# Altium PCB TinyHawk_PCB.PcbDoc (part 3 of 6)
Units mil, origin at the board's own origin, x right, y up, seen from the top; angles counter-clockwise.
Board outline 3399.79 x 3628.14 mil, 6 copper layers (Top Layer, Ground, Signal Layer 2, Signal Layer 1, Power, Bottom Layer), stack 58.153 mil thick; 370 components, 355 nets, 1615 pads, 674 vias.
Unrouted connection lines stored in the file: 1.
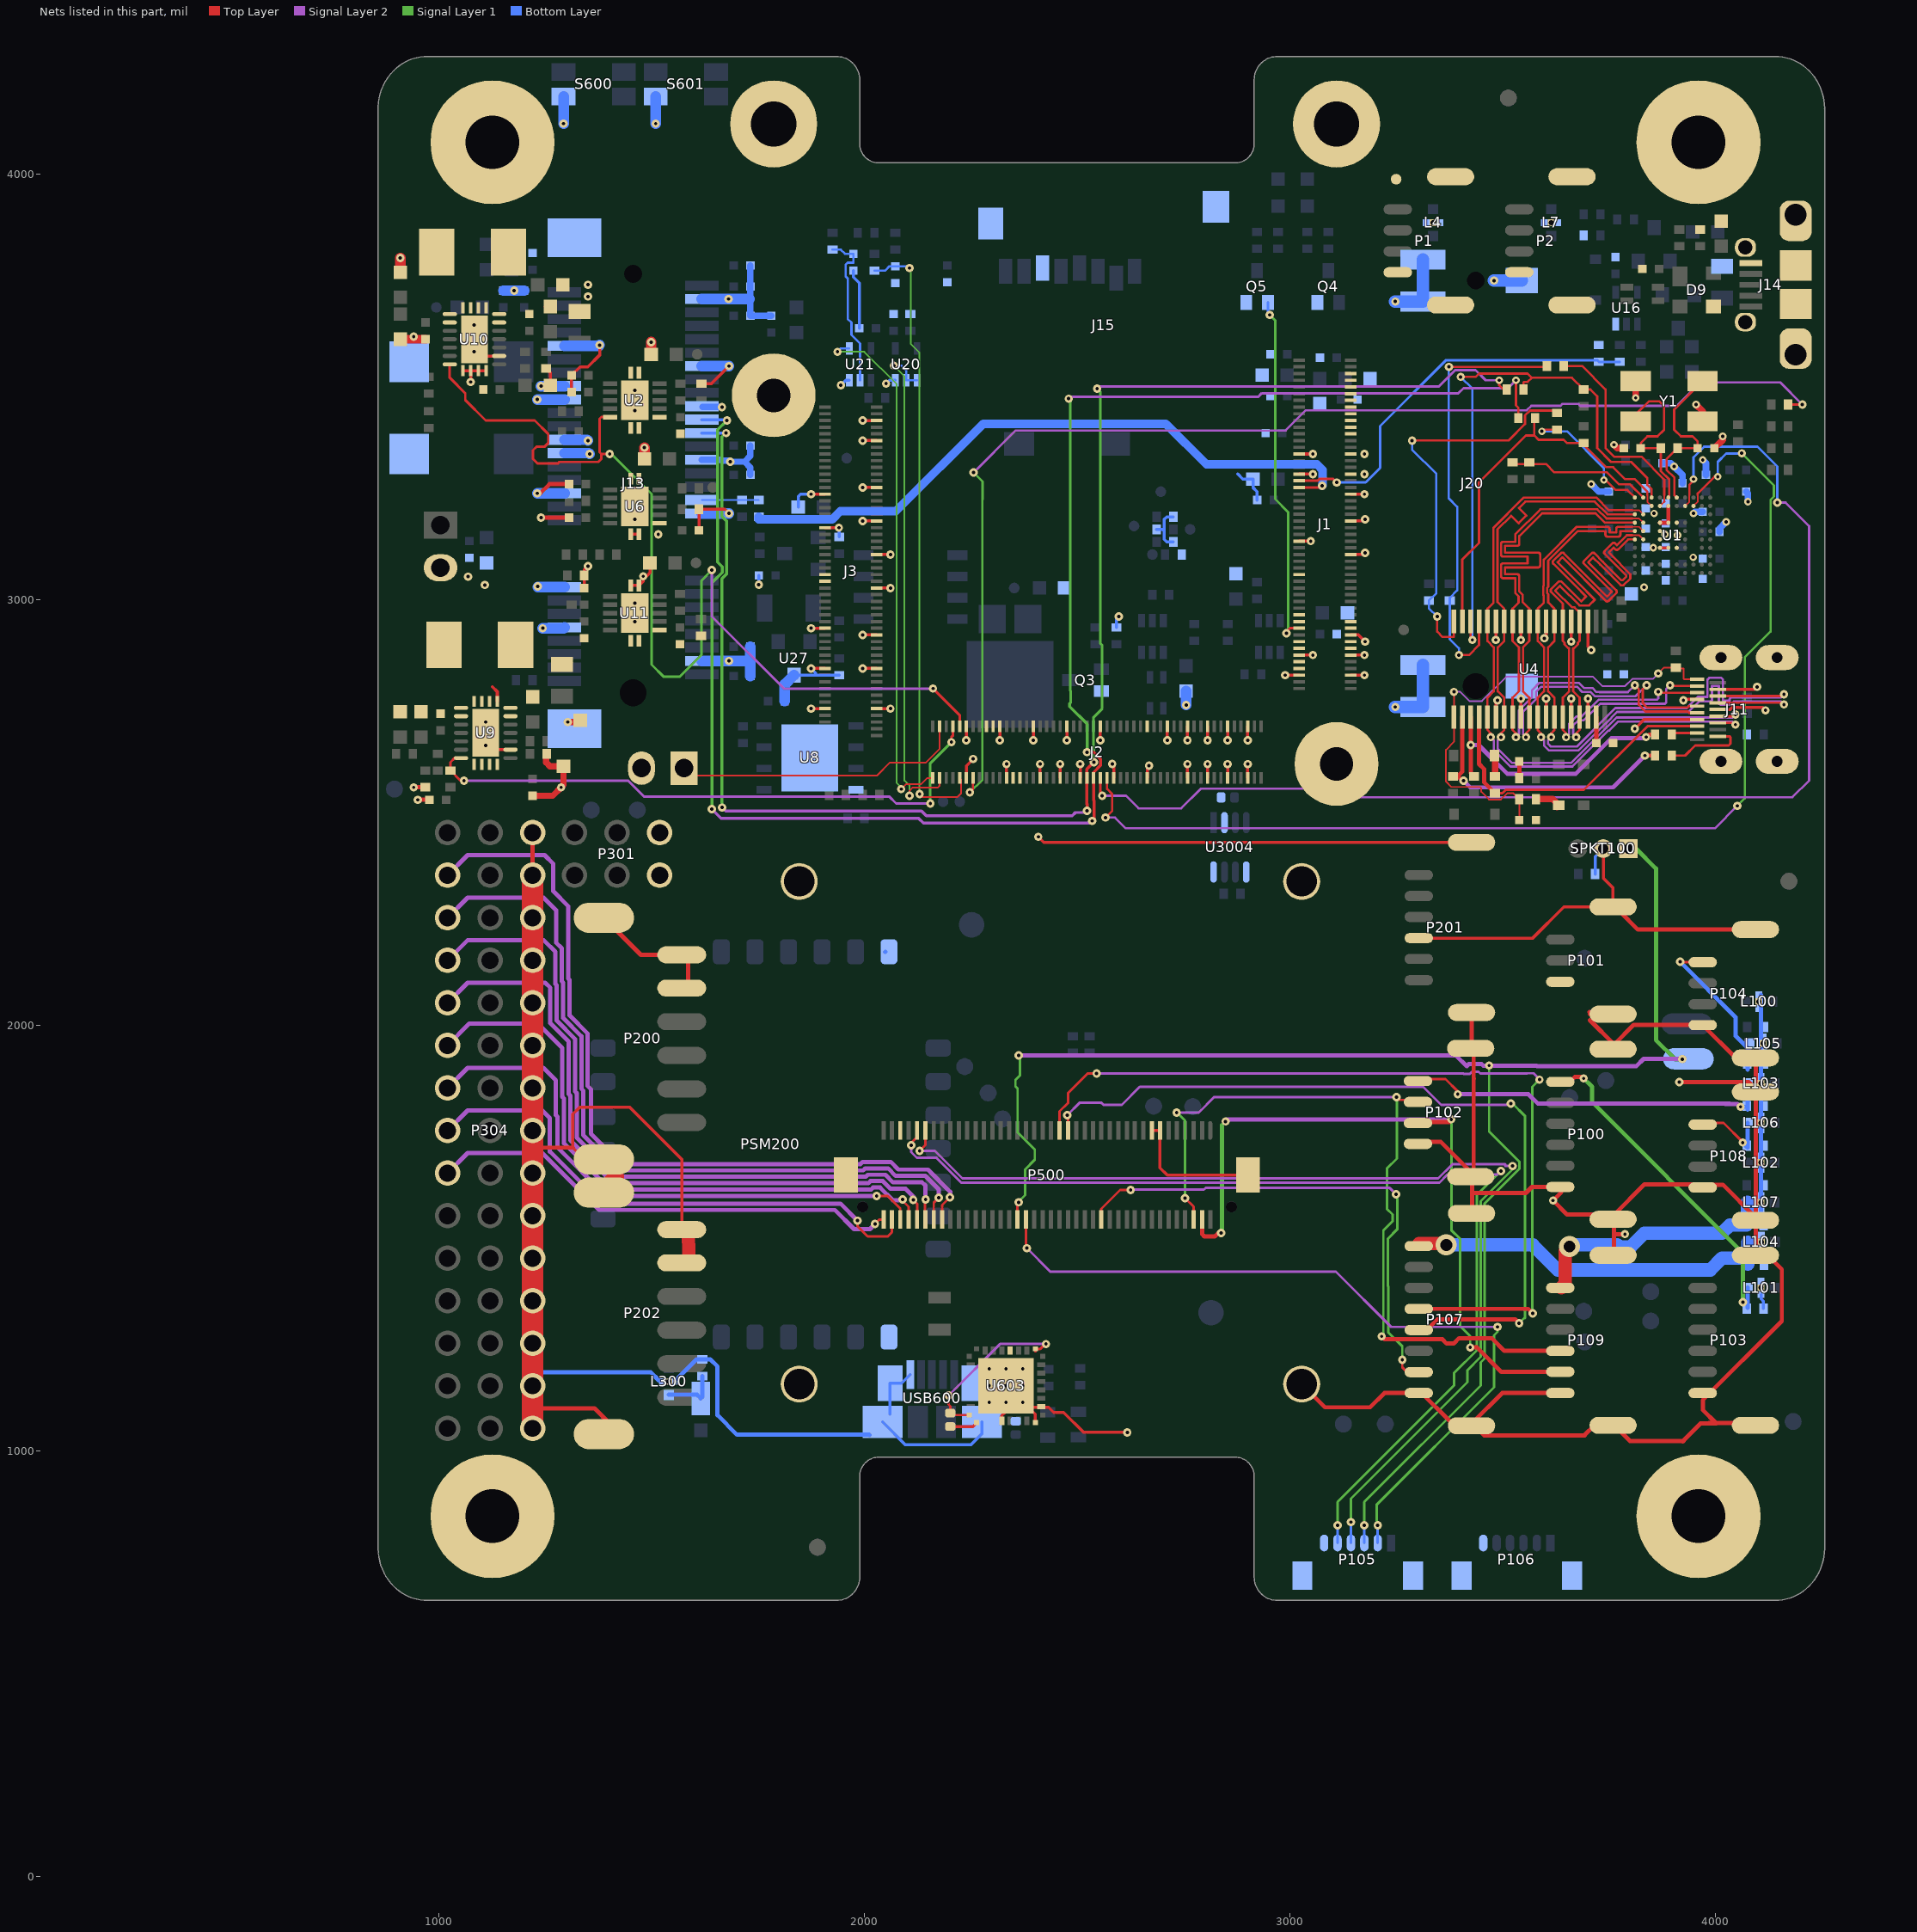
[diagram p7: the nets of this part, all layers, seen from the top]

## Via types
v1: diameter 19.68, hole 7.87, Top Layer to Bottom Layer, tented both sides, 619 vias
v2: diameter 17.72, hole 7.87, Top Layer to Bottom Layer, tented both sides, 36 vias
v3: diameter 50, hole 28, Top Layer to Bottom Layer, tented both sides, 13 vias
v4: diameter 19.68, hole 7.87, Top Layer to Bottom Layer, 3 vias
v5: diameter 25, hole 13, Top Layer to Bottom Layer, tented both sides, 3 vias

## Nets (pads, with @x,y where several pads share a name; then routed paths per layer and width w, separated by ;. In a path a pad name is that pad's centre, name@x,y a point inside that pad or via, vN(x,y) a via of type N, cw(c..) or ccw(c..) an arc to the next point about the centre after c; other vN are vias at no path point) (continued)
GND: C1.2 C2.2 C3.2 C4.2 C5.2 C6.2 C7.2 C8.2 C10.2 C11.2 C12.2 C13.2 C14.2 C15.2 C16.2 C17.2 C18.2 C19.2 C20.2 C21.2 C26.2 C29.2 C30.2 C33.2 C37.2 C38.2 C39.2 C40.2 C41.1 C42.1 C43.1 C44.1 C45.2 C46.2 C47.2 C48.2 C49.2 C50.2 C51.2 C52.1 C53.1 C54.1 C55.1 C56.2 C57.2 C58.2 C59.2 C60.2 C61.2 C62.2 C63.2 C64.2 C65.2 C66.2 C67.2 C68.2 C69.2 C70.2 C71.2 C72.2 C73.2 C74.2 C79.2 C89.2 C90.2 C91.2 C92.2 C106.2 C158.2 C171.2 C176.2 C177.1 C183.2 C184.2 C185.2 C187.1 C188.1 C190.1 C198.2 C200.2 C203.2 C230.1 C231.2 C232.2 C257.2 C258.2 C259.2 C260.2 C261.2 C262.2 C263.2 C264.2 C265.2 C266.2 C267.2 C268.2 C381.2 C604.P$2 C605.P$2 C3004.P$2 D4.2 D8.2 D9.3 D19.2 D100.A D101.A D102.A D103.A D104.A D105.A D106.A D107.A D108.A D301.A J1.5 J1.7 J1.9 J1.11 J1.13 J1.15 J1.17 J1.19 J1.21 J1.23 J1.29 J1.30 J1.35 J1.36 J1.41 J1.49 J1.56 J1.59 J1.66 J1.83 J1.89 J1.90 J1.95 J1.96 J2.11 J2.12 J2.21 J2.24 J2.31 J2.34 J2.40 J2.41 J2.46 J2.51 J2.56 J2.65 J2.66 J2.71 J2.77 J2.78 J2.83 J2.84 J2.89 J2.90 J2.95 J2.96 J3.5 J3.11 J3.25 J3.28 J3.35 J3.38 J3.45 J3.55 J3.68 J3.69 J3.79 J3.80 J3.91 J3.92 J8.2 J11.4 J11.7 J11.10 J11.13 J11.MTG1 J11.MTG2 J11.MTG3 J11.MTG4 J13.4 J13.9 J13.15 J13.18 J13.21 J13.26 J13.27 J13.29 J13.34 J13.35 J13.37 J13.40 J13.43 J13.50 J13.53 J13.54 J14.5 J14.6 J14.7 J14.8 J14.9 J14.10 J14.11 J15.6 J15.11 J15.12 J20.1 J20.2 J20.3 J20.4 J20.5 J20.6 JP1.2 L4.GND L7.GND L100.GND L101.GND L102.GND L103.GND L104.GND L105.GND L106.GND L107.GND L300.GND M3_MOUNT901.1 M3_MOUNT902.1 M3_MOUNT903.1 M3_MOUNT904.1 MH1.1 MH2.1 MH3.1 MH4.1 MH5.1 MH6.1 MH11.1 MH12.1 P1.4 P1.GND P2.4 P2.GND P100.6 P100.GND P101.3 P101.GND P102.4 P102.GND P103.6 P103.GND P104.4 P104.GND P105.6 P105.GND P106.6 P106.GND P107.8 P107.GND P108.4 P108.GND P109.6 P109.GND P200.5 P200.6 P200.GND P201.4 P201.GND P202.5 P202.6 P202.GND P301.5 P301.6 P304.GND P500.13 P500.15 P500.GND PSM200.GND Q3.2 Q4.2 Q5.2 R1.1 R2.1 R3.1 R4.1 R20.1 R25.1 R29.1 R38.1 R45.1 R64.1 R67.1 R83.1 R139.1 R162.2 R213.1 R217.1 R226.1 R247.1 R296.1 R301.1 S600.A1 S601.A1 SPKT100.2 TP10.1 U1.B5 U1.D4 U1.D5 U1.D6 U1.E4 U1.F4 U1.G4 U1.G5 U1.G6 U2.6 U2.11 U2.12 U2.13 U2.14 U2.15 U4.3 U4.5 U4.8 U4.11 U4.14 U4.25 U4.28 U4.31 U4.34 U4.36 U6.6 U6.11 U6.12 U6.13 U6.14 U6.15 U8.4 U8.9 U9.2 U9.15 U9.16 U9.17 U9.18 U9.19 U9.20 U9.21 U9.22 U9.23 U10.2 U10.15 U10.16 U10.17 U10.18 U10.19 U10.20 U10.21 U10.22 U10.23 U11.6 U11.11 U11.12 U11.13 U11.14 U11.15 U16.3 U20.3 U21.3 U27.3 U603.4 U603.17 U603.20 U603.24 U603.26 U603.33 U3004.2 U3004.5 U3004.8 USB600.GND USB600.GND1 USB600.GND2 USB600.GND3 USB600.GND4 Y1.2 Y1.4 | length 20277.3
  Top Layer w7.09: U10.19@1056.5,3538.39 U10.18@1074.61,3538.39 ; v1(1074.8,3511.81) 1074.8,3538.19 U10.18@1074.61,3538.39 ; U10.15@1104.33,3572.83 U10.2@1141.73,3572.83 ; U10.16@1110.83,3538.39 U10.17@1092.72,3538.39 U10.18@1074.61,3538.39 ; 1125.98,2795.28 1137.4,2783.86 U9.23@1137.4,2760.83 ; U9.15@1133.86,2645.67 1135.83,2647.64 U9.2@1168.31,2647.64 ; P304.GND@1220.47,2252.76 P304.GND@1220.72,2252.5 ; C70.2@1250,3688.98 C70.2@1261.81,3688.98 ; R217.1@1251.97,3543.31 1261.81,3533.46 C30.2@1261.81,3503.94 ; C56.2@1312.01,3488.19 C57.2@1312.01,3527.56 1331.69,3547.24 1350.39,3547.24 1377.95,3574.8 v1(1377.95,3598.43) ; C90.2@1341.54,3027.56 R29.1@1341.54,3057.09 1341.54,3069.88 v1(1350.39,3078.74) ; P200.GND@1387.8,1685.04 1342.46,1685.04 1314.96,1712.54 1314.96,1791.34 1330.71,1807.09 1448.82,1807.09 1570.87,1685.04 P202.6@1570.87,1519.83 ; P200.GND@1425.2,2252.5 P200.GND@1430.71,2252.5 ; U11.12@1450.79,3033.5 U11.13@1470.47,3033.5 1480.32,3043.35 v1(1480.32,3055.12) 1488.19,3055.12 1496.06,3062.99 C91.2@1496.06,3086.61 ; U6.15@1450.87,3154.25 U6.14@1470.55,3154.25 ; P301.5@1518.9,2352.76 P301.5@1533.65,2338 ; C21.2@1611.22,3163.39 R20.1@1611.22,3212.6 1672.03,3212.6 v1(1681.88,3202.75) ; R83.1@1617.13,3507.87 1640.54,3507.87 v1(1681.88,3549.21) ; v1(1874.8,2744.1) J3.92@1907.48,2744.1 ; v1(1874.8,2838.58) J3.80@1907.48,2838.58 ; v1(1874.8,2933.07) J3.68@1907.48,2933.07 ; v1(1874.8,3248.03) J3.28@1907.48,3248.03 ; J3.38@1907.48,3169.29 v1(1940.16,3169.29) ; v1(1996.06,2838.58) J3.79@2028.74,2838.58 ; v1(1996.06,2917.32) J3.69@2028.74,2917.32 ; v1(1996.06,3185.04) J3.35@2028.74,3185.04 ; v1(1996.06,3263.78) J3.25@2028.74,3263.78 ; v1(1996.06,3374.02) J3.11@2028.74,3374.02 ; v1(1996.06,3421.26) J3.5@2028.74,3421.26 ; J3.91@2028.74,2744.1 v1(2061.42,2744.1) ; J3.55@2028.74,3027.56 v1(2061.42,3027.56) ; J3.45@2028.74,3106.3 v1(2061.42,3106.3) ; C604.P$2@2202,1057.25 2254.97,1057.25 U603.17@2264.1,1066.39 ; J2.12@2239.76,2581.1 2239.76,2609.84 v1(2255.91,2625.98) ; v1(2239.76,2669.68) J2.11@2239.76,2702.36 ; v1(2318.5,2669.68) J2.21@2318.5,2702.36 ; U603.20@2323.16,1070.32 2323.16,1083 U603.33@2330.71,1090.55 ; J2.24@2334.25,2581.1 v1(2334.25,2613.78) ; U603.33@2393.7,1094.49 2401.9,1086.29 U603.24@2401.9,1066.39 ; v1(2397.24,2669.68) J2.31@2397.24,2702.36 ; U603.33@2397.64,1102.36 2433.07,1102.36 2444.88,1090.55 2468.5,1090.55 2515.75,1043.31 v1(2618.11,1043.31) ; v1@2412,2440 2422.2,2429.8 P201.GND@3427.17,2429.8 ; J2.34@2412.99,2581.1 v1(2412.99,2613.78) ; J2.40@2460.24,2581.1 v1(2460.24,2613.78) ; v1(2475.98,2669.68) J2.41@2475.98,2702.36 ; J2.46@2507.48,2581.1 v1(2507.48,2613.78) ; v1(2554.72,2669.68) J2.51@2554.72,2702.36 ; J2.56@2586.22,2581.1 v1@2586.22,2610.63 ; J2.66@2664.96,2581.1 2664.96,2605.91 v1(2669.29,2610.24) ; P500.15@2676,1753 P500.13@2695,1753 2695,1665.35 2712.35,1648 P500.GND@2902,1648 ; v1(2712.2,2669.68) J2.71@2712.2,2702.36 ; J2.78@2759.45,2581.1 v1(2759.45,2613.78) ; v1(2759.45,2669.68) J2.77@2759.45,2702.36 ; J2.84@2806.69,2581.1 v1(2806.69,2613.78) ; v1(2806.69,2669.68) J2.83@2806.69,2702.36 ; J2.90@2853.94,2581.1 v1(2853.94,2613.78) ; v1(2853.94,2669.68) J2.89@2853.94,2702.36 ; J2.96@2901.18,2581.1 v1(2901.18,2613.78) ; v1(2901.18,2669.68) J2.95@2901.18,2702.36 ; v1(2988.98,2822.84) J1.96@3021.65,2822.84 ; J1.90@3021.65,2870.08 v1(3054.33,2870.08) ; J1.56@3021.65,3137.8 v1(3049.21,3137.8) ; J1.36@3021.65,3295.28 v1(3054.33,3295.28) ; J1.30@3021.65,3342.52 v1(3054.33,3342.52) ; J1.95@3142.91,2822.84 v1(3175.59,2822.84) ; J1.89@3142.91,2870.08 v1(3175.59,2870.08) ; J1.83@3142.91,2917.32 3161.42,2917.32 v1(3177.16,2901.57) ; J1.59@3142.91,3106.3 3169.29,3106.3 3173.22,3110.23 v1(3177.16,3110.23) ; J1.49@3142.91,3185.04 3169.29,3185.04 3173.23,3188.98 v1(3177.17,3188.98) ; J1.41@3142.91,3248.03 v1(3175.59,3248.03) ; P201.4@3303.15,2205 3571.14,2205 3644.39,2278.25 P101.GND@3759.84,2278.24 3759.84,2322.83 3736.79,2345.89 SPKT100.2@3736.79,2405.51 ; U4.25@3484.25,2724.41 3484.25,2755.91 3488.18,2759.84 v1(3488.18,2763.77) ; v1(3484.25,2905.51) U4.14@3484.25,2948.82 ; U4.28@3543.31,2724.41 v1(3543.31,2767.72) ; v1(3543.31,2905.51) U4.11@3543.31,2948.82 ; v1(3598.42,2909.44) 3598.42,2913.38 3602.36,2917.32 U4.8@3602.36,2948.82 ; U4.31@3602.36,2724.41 v1(3602.36,2767.72) ; U4.34@3661.42,2724.41 v1(3661.42,2767.72) ; v1(3661.41,2901.57) U4.5@3661.42,2948.82 ; U4.36@3700.79,2724.41 v1(3700.79,2767.72) ; U4.3@3700.79,2944.88 3700.79,2889.75 v1(3708.65,2881.88) ; v1(3811.02,2696.85) 3832.68,2718.5 J11.13@3957.68,2718.5 ; U1.G4@3870.08,3122.05 U1.G5@3889.76,3122.05 ; v1(3925.2,2763.78) 3931.1,2763.78 3933.07,2765.75 J11.7@3957.68,2765.75 ; J11.10@4005.91,2742.13 4034.76,2742.13 4039.37,2746.73 4111.54,2746.73 v1(4118.11,2740.16) ; J11.4@4005.91,2789.37 4092.52,2789.37 v1(4098.43,2795.28)
  Top Layer w9.84: U1.D4@3870.08,3181.1 U1.D5@3889.76,3181.1 U1.B5@3889.76,3220.47
  Top Layer w10: v1(940.94,2559.06) 941.27,2559.38 R25.1@968.19,2559.38 ; v1(950.46,2529.85) C40.2@978.03,2529.85 ; 1220.47,1100 1365.75,1100 P202.GND@1404.21,1061.54 ; 1220.47,1701.84 1231.17,1712.54 1314.96,1712.54 ; P304.GND@1220.47,2352.76 P304.GND@1220.47,2452.76 ; v1(1231.5,3250) 1238.19,3250 1259.84,3271.65 C18.2@1306.1,3271.65 ; v1(1240.16,3192.91) C19.2@1306.1,3192.91 ; P200.GND@1387.8,2252.5 1474.8,2165.5 P200.6@1570.87,2165.5 ; P200.6@1519.21,2164 1586.28,2164 P200.5@1586.28,2084 ; M3_MOUNT902.1@3028,1157 3082.64,1102.36 3188.98,1102.36 3222.67,1136.06 P107.8@3303.15,1136.06 ; P107.8@3300.68,1138.52 3304.16,1142 3381.16,1065 P107.GND@3428.18,1065 ; P102.4@3308.11,1726 3355.13,1726 P102.GND@3432.13,1649 ; P201.GND@3427.13,2030 3427.13,1955.59 3432.13,1950.59 3432.13,1875.55 3432.68,1875 3432.13,1874.45 P102.GND@3432.13,1649 ; P107.GND@3432.68,1559.51 3428.18,1564.02 3428.18,1606 ; R38.1@3539.37,2580.71 C74.2@3539.37,2620.08 ; P109.6@3623.11,1136 3499.18,1136 P107.GND@3428.18,1065 ; P100.6@3635.83,1620.09 3568.91,1620.09 3554.82,1606 3428.18,1606 ; P100.6@3638.22,1620.09 3638.22,1607.69 v1(3618.79,1588.25) 3651.79,1555.25 P100.GND@3762.24,1555.25 ; 3691.79,1036.25 3715.79,1060.25 3762.24,1060.25 3799.24,1023.25 3925.2,1023.25 ; 3692.91,1036 3457.18,1036 P107.GND@3428.18,1065 ; 3704.79,2031.09 3705.34,2031.64 P101.GND@3705.34,2026.27 ; 3705.34,2011.95 3762.24,1955.06 3808.43,2001.25 P104.4@3953.22,2001.25 ; P109.GND@3762.24,1460.06 3762.24,1510.25 ; P101.GND@3775.32,2267.72 3818,2225.04 P104.GND@4094.49,2225.04 ; v1(3787.79,1509.25) 3763.24,1509.25 3762.24,1510.25 ; v1(3915.46,1866.45) 4078.5,1866.45 P108.GND@4094.91,1850.04 ; 3923.46,1022.45 3965.46,1064.45 4002.46,1064.45 3970.9,1096.01 3970.9,1119.45 4156.46,1305.01 4156.46,1426.45 4118.66,1464.25 4094.91,1464.25 P108.GND@4094.91,1548.45 ; P108.4@3953.22,1626.25 3833.24,1626.25 P100.GND@3762.24,1555.25 ; P108.4@3970.9,1625.45 4017.91,1625.45 P108.GND@4094.91,1548.45 ; P104.4@3970.9,2000.45 4047.9,1923.45 4094.91,1923.45 P108.GND@4094.91,1850.04 ; 3984.79,1065.25 P103.GND@4077.24,1065.25 ; L102.GND@4105.22,1674.69 4094.91,1685 ; 3428.18,1606 3428.18,1645.05 P102.GND@3432.13,1649 ; 3762.24,1510.25 P100.GND@3762.24,1555.25 ; P108.GND@4094.91,1548.45 4094.91,1685 ; 4094.91,1685 P108.GND@4094.91,1850.04
  Top Layer w15: C64.2@1220.47,2539.37 1267.72,2539.37 v1(1287.4,2559.06) 1292.99,2564.65 C62.2@1292.99,2608.59 1261.49,2608.59 1251.97,2618.11 1251.97,2636.46 R213.1@1253.62,2638.12 ; v1(1303.15,2712.6) C61.2@1328.1,2712.6
  Top Layer w15.75: v2(3761.81,3364.17) 3769.69,3356.3 C48.2@3785.43,3356.3 ; v2(3812.99,3474.41) Y1.4@3812.99,3513.78 ; v2(3954.72,3458.66) 3970.47,3442.91 Y1.2@3970.47,3419.29 ; C49.2@3998.03,3356.3 4017.72,3375.98 v2(4017.72,3383.86)
  Top Layer w20: C66.2@909.45,3612.2 C67.2@968.5,3612.2
  Top Layer w25: C65.2@909.45,3769.69 v1(909.45,3803.15) ; C20.2@1483.27,3328.74 v1(1483.27,3357.28) ; C58.2@1499.02,3576.77 v1(1499.02,3605.32)
  Top Layer w31.5: P202.GND@1403.21,1636 1407.21,1632 1419.63,1644.41 ; P202.6@1586.61,1511.81 1587.28,1464
  Top Layer w50: P304.GND@1220.47,1052.76 1220.47,1100 P304.GND@1220.47,1152.76 P304.GND@1220.47,1252.76 P304.GND@1220.47,1352.76 P304.GND@1220.47,1452.76 P304.GND@1220.47,1552.76 P304.GND@1220.47,1652.76 1220.47,1701.84 P304.GND@1220.47,1752.76 P304.GND@1220.47,1852.76 P304.GND@1220.47,1952.76 P304.GND@1220.47,2052.76 P304.GND@1220.47,2152.76 P304.GND@1220.47,2252.76 P304.GND@1220.47,2352.76
  Bottom Layer w7.09: v1(1751.97,3035.43) C14.2@1751.97,3057.09 ; U27.3@1834.65,2822.83 1885.83,2822.83 ; C232.2@1844.65,3217.91 1844.65,3242.28 1850.39,3248.03 v1(1874.8,3248.03) ; v1(1874.8,2838.58) 1885.83,2827.56 1885.83,2822.83 ; v1(1940.16,3169.29) 1940.94,3168.51 R301.1@1940.94,3147.64 ; R296.1@1940.94,2822.83 1885.83,2822.83 ; v1(1944.88,3503.94) 1956.69,3515.75 U21.3@1964.57,3515.75 ; C198.2@1974.41,3773.62 1974.41,3757.87 1988.19,3744.09 C176.2@1988.19,3637.8 ; USB600.GND4@2042.86,1068 2096.86,1014 2250,1014 2276,1040 USB600.GND1@2276,1068 ; v1(2051.18,3507.87) 2059.06,3515.75 U20.3@2072.83,3515.75 ; USB600.GND4@2060.57,1085.72 USB600.GND3@2060.57,1159 2087.82,1159 USB600.GND@2107.82,1179 ; R139.1@2592.52,2935.04 2592.52,2954.72 v1(2598.43,2960.63) ; R2.1@2687.01,3165.35 2700.79,3165.35 2704.72,3161.42 ; R3.1@2726.38,3135.83 2710.63,3135.83 2704.72,3141.73 2704.72,3161.42 ; R1.1@2726.38,3194.88 2710.63,3194.88 2704.72,3188.98 2704.72,3161.42 ; 2877.95,3295.28 2889.76,3283.46 C231.2@2913.39,3283.46 2913.39,3263.78 2923.23,3253.94 C13.2@2923.23,3234.25 ; D102.A@3717.79,2355.25 3717.79,2396.25 SPKT100.2@3736.79,2415.25 ; L101.GND@4107.78,1367.52 4107.78,1356.79 4113.46,1351.1 D101.A@4113.46,1334.27
  Bottom Layer w10: P304.GND@1233.63,1185 1497.63,1185 L300.GND@1517.26,1165.37 ; L300.GND@1560.13,1169.5 1605.63,1215 D301.A@1619.63,1215 1638,1215 1654.83,1198.17 1654.83,1083.93 1700.77,1038 2010.86,1038 USB600.GND4@2011.86,1037 ; PSM200.GND@2049,2172.16 PSM200.GND@2049.34,2172.5 ; v1@3787.32,1509.72 v1(3787.79,1509.25) ; D107.A@4107.78,1533.7 L100.GND@4107.78,2071.45
  Bottom Layer w15: J13.26@1618.11,3328.74 1663.39,3328.74 1665.35,3326.77 1682.63,3326.77 v1(1685.04,3324.36) 1718.94,3324.36 ; J13.34@1620.07,3452.76 v1(1665.35,3452.76) ; C265.2@1732.28,3293.31 1732.28,3311.02 1718.94,3324.36 ; C261.2@1732.28,3362.2 1732.28,3337.7 1718.94,3324.36 ; C263.2@1732.28,3785.43 C268.2@1732.28,3736.22 C259.2@1732.28,3667.32 C262.2@1781.5,3667.32
  Bottom Layer w15.75: v2(3708.66,3271.65) 3726.38,3253.94 C188.1@3750,3253.94 ; C190.1@3875.98,3320.87 3895.67,3320.87 v2(3903.54,3312.99) 3923.23,3293.31 C51.2@3923.23,3273.62 ; v2(3948.82,3202.76) 3952.76,3206.69 C45.2@3970.47,3206.69 ; v2(3970.47,3328.74) 3978.35,3320.87 C44.1@3978.35,3293.31 ; C46.2@4009.84,3159.45 4009.84,3167.32 v2(4025.59,3183.07) ; C41.1@4072.83,3253.94 4076.77,3250 v2(4076.77,3230.32)
  Bottom Layer w25: C267.2@1151.57,3726.38 C266.2@1200.79,3726.38 ; v1(1231.5,3250) J13.21@1295.27,3250 ; v1(1231.5,3470.47) J13.35@1295.27,3470.47 ; v1@1232.28,3029.52 J13.15@1295.27,3029.52 ; v1(1240.16,3501.97) J13.37@1295.27,3501.97 ; v1(1244.09,2933.07) 1293.31,2933.07 J13.9@1295.27,2935.04 ; v1(1293.17,4118.84) S600.A1@1293.17,4182.61 ; J13.27@1295.27,3344.49 1352.36,3344.49 v1(1354.33,3342.51) ; J13.29@1295.27,3375.98 1348.43,3375.98 v1(1350.39,3374.02) ; J13.43@1295.27,3596.45 1375.98,3596.45 v1(1377.95,3598.43) ; v1(1509.71,4118.84) S601.A1@1509.71,4182.61 ; J13.18@1618.11,3202.75 v1(1681.88,3202.75) ; J13.40@1618.11,3549.21 v1(1681.88,3549.21) ; J13.50@1618.11,3706.69 v1(1681.1,3706.69) 1730.32,3706.69 ; v1(1681.88,2856.3) J13.4@1618.11,2856.3 1730.31,2856.3 1732.28,2858.27 ; C264.2@1732.28,2820.87 1732.28,2858.27 ; C260.2@1732.28,2889.76 1732.28,2858.27 ; C203.2@1812.99,2761.81 1812.99,2801.18 U27.3@1834.65,2822.83 ; v1(2756.5,2752.56) D4.2@2756.5,2785.43
  Bottom Layer w30: v1(3248.03,2748.03) J20.1@3312.99,2748.03 J20.2@3312.99,2846.45 ; v1(3248.03,3700.78) J20.4@3312.99,3700.78 J20.5@3312.99,3799.21 ; v1(3480.31,3750) J20.6@3545.27,3750
  Bottom Layer w50: P304.GND@1220.47,1052.76 P304.GND@1220.47,1152.76 P304.GND@1220.47,1252.76 P304.GND@1220.47,1352.76 P304.GND@1220.47,1452.76 P304.GND@1220.47,1552.76 P304.GND@1220.47,1652.76 P304.GND@1220.47,1752.76 P304.GND@1220.47,1852.76 P304.GND@1220.47,1952.76 P304.GND@1220.47,2052.76 P304.GND@1220.47,2152.76 P304.GND@1220.47,2252.76 P304.GND@1220.47,2352.76
  other v1: 2293.63,1113.63 2333,1113.63 2372.37,1113.63 2293.63,1153 2333,1153 2372.37,1153 2293.63,1192.37 2333,1192.37 2372.37,1192.37 2409,2443 2582.68,2614.17 1110.24,2657.48 1110.24,2712.6 1460.63,2948.82 1460.63,2992.13 1232.28,3031.5 1108.27,3034.65 1068.9,3054.34 1515.75,3153.54 1460.63,3188.98 3175.59,3295.28 3175.59,3342.52 1460.63,3444.88 1460.63,3492.13 1082.68,3582.68 940.94,3618.11 1082.68,3645.67 1350.39,3712.6 1177.17,3726.38 1350.39,3740.16
  other v2: 3832.68,3029.53 3948.11,3099.69 3854.33,3122.05 3911.42,3151.57 3881.88,3153.54 3856.3,3202.76
GPIO_OR_PWM_1: J2.17
GPIO_OR_PWM_2: J2.19
GPIO_OR_PWM_3: J3.52
GPIO_OR_PWM_4: J3.54
HDMI_HPA_A: R165.2 U1.A1 | length 336.1
  Top Layer w5.4: v2(3592.52,3395.67) 3596.46,3399.61 R165.2@3627.95,3399.61 ; v2(3738.19,3281.5) 3742.13,3281.5 3765.75,3257.87 3793.31,3257.87 U1.A1@3811.02,3240.16
  Bottom Layer w5.4: v2(3592.52,3395.67) 3651.53,3395.67 3738.19,3309.01 v2(3738.19,3281.5)
HDMI_IN_CEC: R105.2 U1.B4 | length 493.7
  Top Layer w3.94: U1.B4@3870.08,3220.47 3879.92,3230.31 ; 3880.2,3230.59 3880.2,3246.34
  Top Layer w5.4: R105.2@3643.7,3549.21 3687.01,3549.21 3742.13,3494.09 3742.13,3356.3 3762.4,3336.02 3826.28,3336.02 3880.2,3282.11 3880.2,3246.34 ; 3879.92,3230.31 3880.2,3230.59
HDMI_IN_CEC_CON: J11.15 R50.2 U4.23 | length 735.3
  Top Layer w6: R50.2@3482.28,2545.28 3499.69,2545.28 3507.73,2553.31 3691.1,2553.31 3840.55,2702.76 J11.15@3957.68,2702.76
  Top Layer w10: U4.23@3444.88,2724.41 3444.88,2614.17 3456.69,2602.36 3456.69,2570.87 R50.2@3482.28,2545.28
HDMI_IN_CEC_IN: R12.1 R105.1 U4.16 | length 1045.2
  Top Layer w5.4: v1(3374.02,3547.24) 3602.36,3547.24 R105.1@3604.33,3549.21 ; v1(3397.63,2870.07) 3421.25,2870.07 3444.88,2893.7 U4.16@3444.88,2948.82
  Bottom Layer w5.4: v1(3374.02,3547.24) 3373.49,3546.72 3373.49,3238.39 3393.5,3218.38 3393.5,3021.86 3375.98,3004.35 R12.1@3375.98,2998.03 3375.98,2907.48 3397.63,2885.83 v1(3397.63,2870.07)
HDMI_IN_CLK_N: J11.14 U1.C2 U4.15 U4.24 | length 1617.7
  Top Layer w3.94: 3805.12,3210.63 3820.87,3210.63 U1.C2@3830.71,3200.79
  Top Layer w5.4: v1(3472.41,2677.17) 3472.41,2686.31 3464.57,2694.15 U4.24@3464.57,2724.41 3464.57,2770.01 3479.55,2785 3479.55,2888.23 3464.57,2903.22 U4.15@3464.57,2948.82 3464.57,2979.08 3478.79,2993.3 3478.79,3169.25 3546.99,3237.45 3549.74,3240.2 3720.43,3240.2 3750,3210.63 3805.12,3210.63 ; J11.14@4005.91,2710.63 4043.28,2710.63 v1(4047.24,2706.66)
  Signal Layer 2 w5.4: v1(3472.41,2677.17) 3479.55,2670.02 3479.55,2647.46 3518.96,2608.05 3664.37,2608.05 3748.89,2692.57 3750.72,2692.57 3771.96,2713.8 4040.1,2713.8 v1(4047.24,2706.66)
HDMI_IN_CLK_P: J11.12 U1.C1 U4.13 U4.26 | length 1615.4
  Top Layer w5.4: v1(3496.09,2677.17) 3496.09,2686.31 3503.94,2694.15 U4.26@3503.94,2724.41 3503.94,2770.01 3488.95,2785 3488.95,2888.23 3503.94,2903.22 U4.13@3503.94,2948.82 3503.94,2979.08 3488.19,2994.83 3488.19,3165.35 3520.3,3197.47 3538.02,3179.75 3555.98,3197.71 3538.26,3215.43 3553.64,3230.8 3716.54,3230.8 3746.55,3200.79 U1.C1@3811.02,3200.79 ; J11.12@4005.91,2726.38 4043.28,2726.38 v1(4047.24,2730.35)
  Signal Layer 2 w5.4: v1(3496.09,2677.17) 3488.95,2670.02 3488.95,2649.93 3522.44,2616.45 3660.89,2616.45 3745.41,2700.97 3745.83,2700.97 3768.06,2723.2 4040.1,2723.2 v1(4047.24,2730.35)
HDMI_IN_D0_N: J11.11 U1.D2 U4.12 U4.27 | length 1608.7
  Top Layer w3.94: 3805.12,3190.94 3820.87,3190.94 U1.D2@3830.71,3181.1
  Top Layer w5.4: v1(3531.46,2677.17) 3531.46,2686.31 3523.62,2694.15 U4.27@3523.62,2724.41 3523.62,2770.01 3538.61,2785 3538.61,2888.23 3523.62,2903.22 U4.12@3523.62,2948.82 3523.62,2979.08 3537.84,2993.3 3537.84,3007.92 3532.72,3013.04 3529.97,3015.79 3529.97,3050.55 3501.29,3050.55 cw(c3501.29,3055.25) 3496.59,3055.25 3496.59,3080.65 cw(c3501.29,3080.65) 3501.29,3085.35 3559.06,3085.35 3559.06,3101.35 3501.29,3101.35 cw(c3501.29,3106.05) 3496.59,3106.05 3496.59,3131.45 cw(c3501.29,3131.45) 3501.29,3136.15 3529.97,3136.15 3529.97,3153.5 3589.07,3212.6 3722.86,3212.6 3744.51,3190.94 3805.12,3190.94 ; v1(3811.02,2799.21) 3820.13,2790.1 3820.13,2753.19 3835.89,2737.43 3935.07,2737.43 3938.24,2734.25 J11.11@3957.68,2734.25
  Signal Layer 2 w5.4: v1(3531.46,2677.17) 3538.61,2684.31 3538.61,2740.11 3569.34,2770.85 3569.34,2787.36 3586.66,2804.68 3679.58,2804.68 3691.59,2792.66 3711.12,2792.66 3720.52,2783.26 3728.03,2783.26 3728.35,2782.94 3794.75,2782.94 v1(3811.02,2799.21)
HDMI_IN_D0_P: J11.9 U1.D1 U4.10 U4.29 | length 1610.7
  Top Layer w5.4: v1(3555.15,2677.17) 3555.15,2686.31 3562.99,2694.15 U4.29@3562.99,2724.41 3562.99,2770.01 3548.01,2785 3548.01,2888.23 3562.99,2903.22 U4.10@3562.99,2948.82 3562.99,2979.08 3547.24,2994.83 3547.24,3011.81 3539.37,3019.68 3539.37,3055.25 ccw(c3534.67,3055.25) 3534.67,3059.95 3505.99,3059.95 3505.99,3075.95 3583.8,3075.95 ccw(c3583.8,3080.65) 3588.5,3080.65 3588.5,3106.05 ccw(c3583.8,3106.05) 3583.8,3110.75 3505.99,3110.75 3505.99,3126.75 3534.67,3126.75 ccw(c3534.67,3131.45) 3539.37,3131.45 3539.37,3149.61 3592.96,3203.2 3718.97,3203.2 3741.06,3181.1 U1.D1@3811.02,3181.1 ; v1(3838.65,2799.21) 3829.53,2790.1 3829.53,2757.08 3839.79,2746.83 3935.07,2746.83 3938.24,2750 J11.9@3957.68,2750